# Altium PCB sugar65V2_ARGB_QMK(1).PcbDoc (part 1 of 8)
Units mm, origin at the board's own origin, x right, y up, seen from the top; angles counter-clockwise.
Board outline 416.94 x 174.37 mm, 2 copper layers (Top Layer, Bottom Layer); 304 components, 242 nets, 11102 pads, 1014 vias.
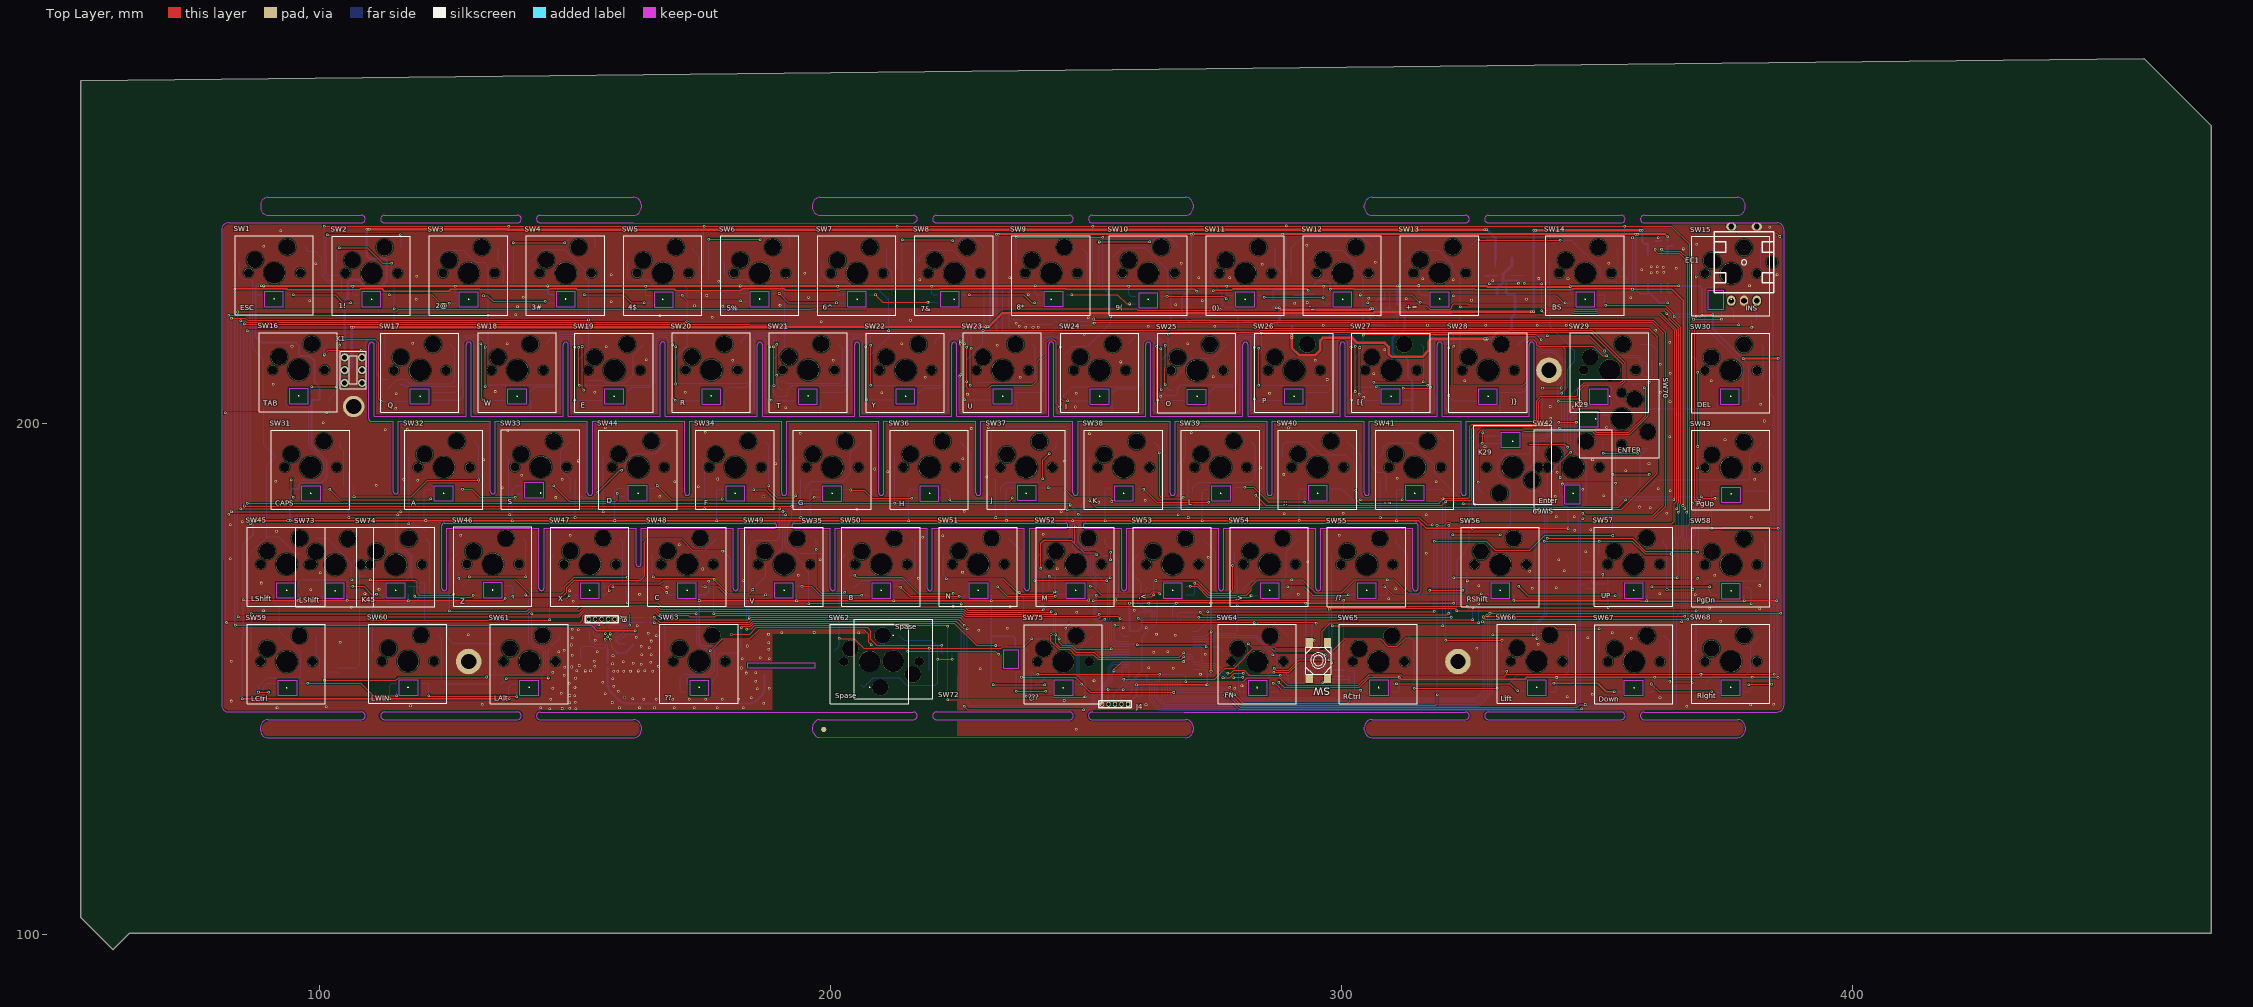
[diagram p0: Top Layer view]
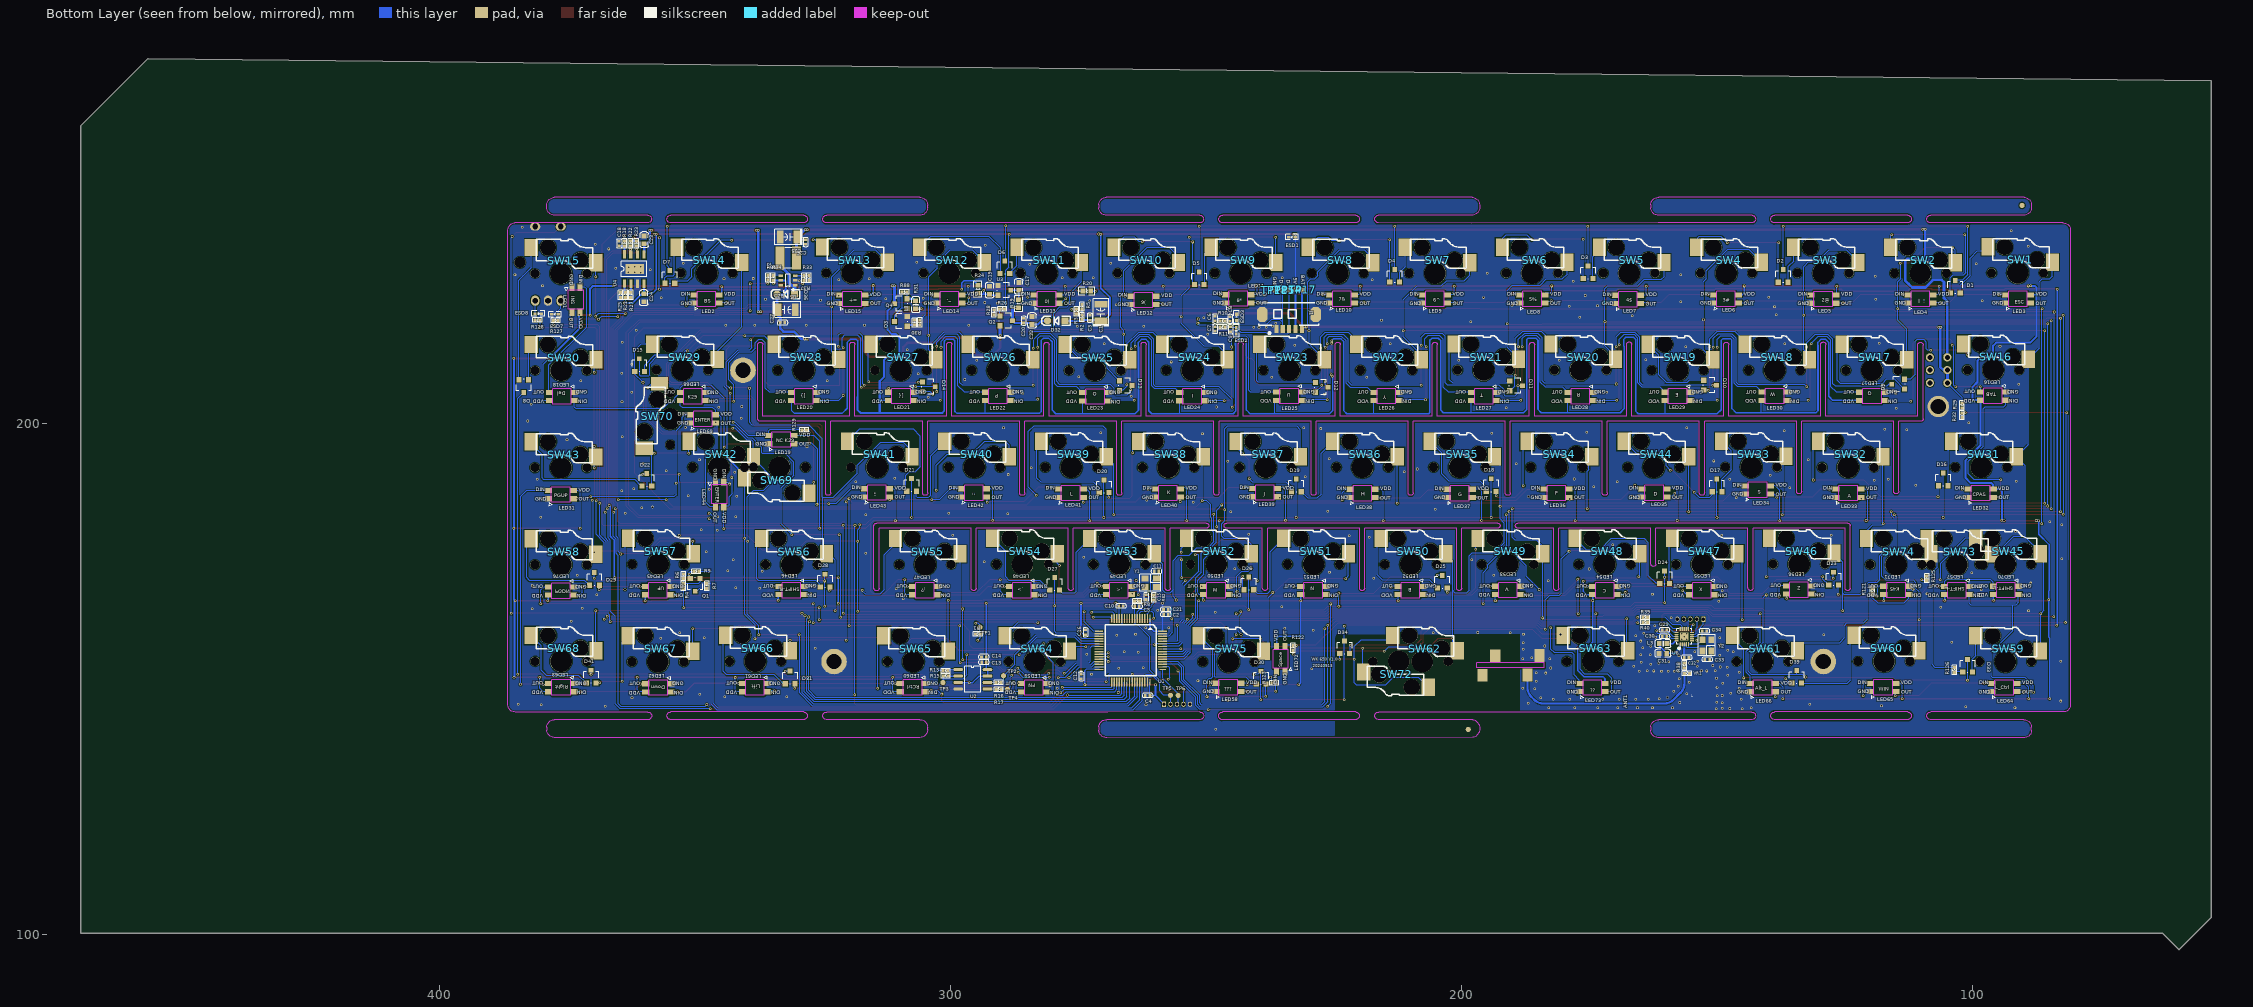
[diagram p1: Bottom Layer view, seen from below]
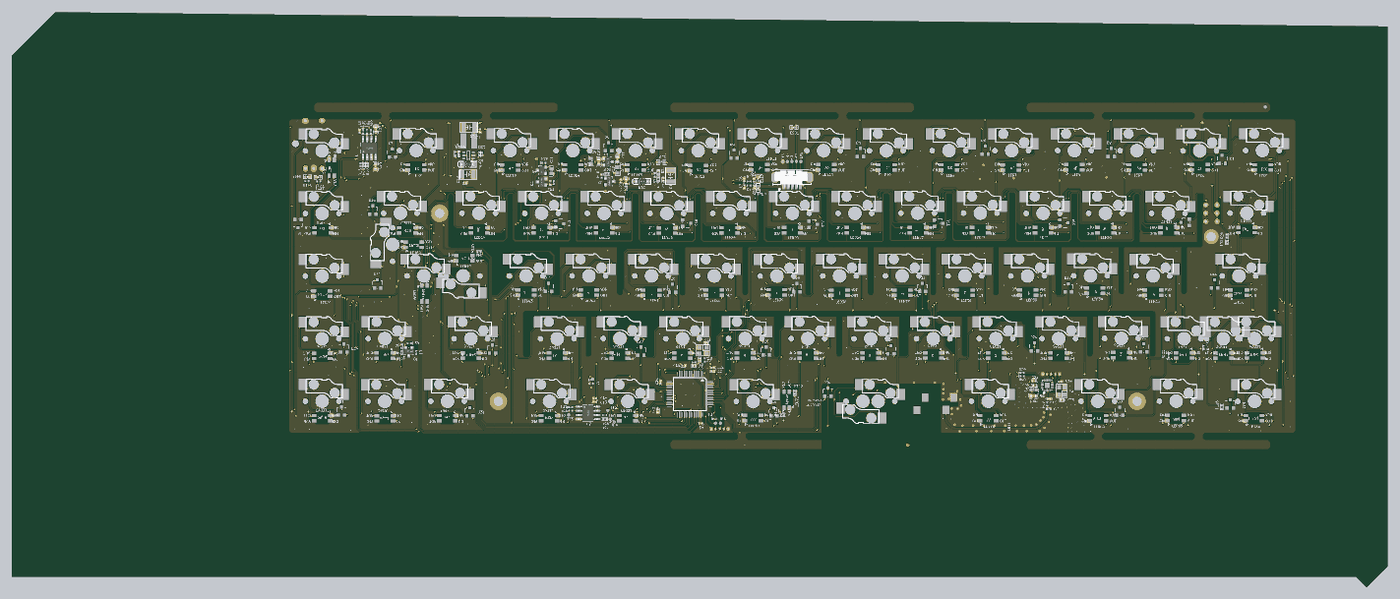
[diagram p9: 3D render of the assembled board from below, using the file's embedded part models]

## Layer stack, top to bottom
Top Layer: signal copper 0.0356
Dielectric: dielectric 0.32, FR-4, Dk 4.8
Bottom Layer: signal copper 0.0356

## Board outline
53.34,267.081 53.34,103.378 59.69,97.028 62.865,100.203 470.281,100.203 470.281,258.191 457.073,271.399

## Design rules (kind name [scope] priority, off if disabled: settings)
Clearance Clearance_3 [InNet('NetANT1_1')] p1: gap=0.18
Clearance Clearance_2 [InNet('RF')] p2: gap=0.18
Clearance Clearance_1 [OnLayer('Keep-Out Layer')] p3: gap=0.3
Clearance [All] p4: gap=0.2
HoleToHoleClearance [All] p1: gap=0.2 allowstackedmicrovias=TRUE
MinimumSolderMaskSliver [All] p1: minsoldermaskwidth=0.2
PolygonConnect [All] p1: connectstyle=Direct reliefconductorwidth=0.254 reliefentries=4 polygonreliefangle="90 Angle"
RoutingVias [All] p1: holewidth=0.3 width=0.5 viastyle="Through Hole" minholewidth=0.2 minwidth=0.5 maxholewidth=0.711 maxwidth=1.27
SilkToSilkClearance [All] p1: silktosilkclearance=0.1
SilkscreenOverComponentPads [All] p1: minsilkscreentomaskgap=0.1
SolderMaskExpansion [All] p1: expansion=0.102
Width [All] p1: maxlimit=0.6 minlimit=0.2 preferedwidth=0.3
24 further rules are at their usual default settings.

## Classes and differential pairs
component class 07_TYPE_C_B: C35 C36 J6 R41 R42 R43 USB1
component class 06_RF_MODULE: ANT1 C17 C18 C19 C20 C22 C23 C24 C25 C26 C27 C28 C29 C30 C31 C32 C33 C34 D32 D36 J9 K1 L1 L2 L3 Q2 Q3 Q4 R18 R19 R20 R21 R22 R23 R24 R25 R26 R27 R28 R29 R30 R31 R32 R33 R34 R35 R37 R38 R39 R40 R88 U3 U4 U5 U6 VR1 Y2
component class 05_LED: LED1 LED2 LED3 LED4 LED5 LED6 LED7 LED8 LED9 LED10 LED11 LED12 LED13 LED14 LED15 LED16 LED17 LED18 LED19 LED20 LED21 LED22 LED23 LED24 LED25 LED26 LED27 LED28 LED29 LED30 LED31 LED32 LED33 LED34 LED35 LED36 LED37 LED38 LED39 LED40 LED41 LED42 LED43 LED44 LED45 LED46 LED47 LED48 LED49 LED50 LED51 LED52 LED53 LED54 LED55 LED56 LED57 LED58 LED59 LED60 LED61 LED62 LED63 LED64 LED65 LED66 LED68 LED69 LED70 LED71 LED72 LED73 LED76 R121 R122 R123 R129
component class 04_KEY: "1.254 5P" D1 D2 D3 D4 D5 D6 D7 D8 D9 D10 D11 D12 D13 D14 D15 D16 D17 D18 D19 D20 D21 D22 D23 D24 D25 D26 D27 D28 D29 D30 D31 D33 D34 D39 D41 EC1 ESD7 ESD8 R125 R126 R127 R128 SW1 SW2 SW3 SW4 SW5 SW6 SW7 SW8 SW9 SW10 SW11 SW12 SW13 SW14 SW15 SW16 SW17 SW18 SW19 SW20 SW21 SW22 SW23 SW24 SW25 SW26 SW27 SW28 SW29 SW30 SW31 SW32 SW33 SW34 SW35 SW36 SW37 SW38 SW39 SW40 SW41 SW42 SW43 SW44 SW45 SW46 SW47 SW48 SW49 SW50 SW51 SW52 SW53 SW54 SW55 SW56 SW57 SW58 SW59 SW60 SW61 SW62 SW63 SW64 SW65 SW66 SW67 SW68 SW69 SW70 SW72 SW73 SW74 SW75
component class 02_MCU: 5V C1 C2 C3 C4 C5 C6 C7 C8 C9 C10 C11 C12 C13 C14 C15 C16 C21 ESD1 ESD2 ESD3 J1 J4 Q1 R1 R2 R3 R4 R5 R6 R7 R8 R9 R10 R11 R13 R15 R16 R17 R82 SW TP1 TP2 TP3 TP4 TP5 TP6 TP12 TP14 TP15 TP17 TP18 U1 U2 Y1

## Components (designator, comment, footprint, x,y, rotation, side; value= is the part's Value field where it differs from the comment)
5V "TEST1.0" TEST1.0 232.38,226.03 r180 bottom locked
ANT1 "ANT_PIFA_2G4" ANT_PIFA_2G4_1MM 155.54,151.23 r0 bottom locked
C1 "10uF" "C_1206 +" 270.65,221.71 r90 bottom locked
C2 "0.1uF" 0402-C 257.93,162.62 r180 bottom locked
C3 "0.1uF" 0402-C 272.81,220.68 r90 bottom locked
C4 "0.1uF" 0402-C 261.48,146.75 r0 bottom locked
C5 "0.1uF" 0402-C 263.54,164.23 r180 bottom locked
C6 "20pF" 0402-C 248.29,220.52 r90 bottom locked
C7 "20pF" 0402-C 248.31,218.5 r270 bottom locked
C8 "100pF" 0402-C 245.35,220.46 r90 bottom locked
C9 "100pF" 0402-C 245.29,218.43 r270 bottom locked
C10 "0.1uF" 0402-C 266.69,164.26 r180 bottom locked
C11 "20pF" 0402-C 259.77,171.08 r180 bottom
C12 "0.1uF" 0402-C 274.49,150.51 r270 bottom locked
C13 "0.1uF" 0402-C 293.54,153.28 r0 bottom locked
C14 "10uF" 0402-C 293.55,154.34 r0 bottom locked
C15 "20pF" 0402-C 261.81,166 r90 bottom
C16 "0.1uF" 0402-C 273.67,159.15 r90 bottom locked
C17 "10uF" 0603C 286.64,226.74 r270 bottom locked
C18 "0.1uF" 0402-C 364.89,235.21 r90 bottom locked
C19 "4.7uF" 0603C 292.35,225.99 r270 bottom locked
C20 "0.1uF" 0402-C 285.75,220.11 r90 bottom locked
C21 "2.2uF" 0402-C 257.94,163.6 r180 bottom locked
C22 "10uF" 0603C 284.05,220.06 r270 bottom locked
C23 "10uF" 0603C 359.93,235.85 r270 bottom locked
C24 "10uF" 0603C 360.14,224.67 r90 bottom locked
C25 "10uF" "C_1206 +" 331.76,236.47 r0 bottom locked
C26 "0.1uF" 0402-C 328.41,235.49 r270 bottom locked
C27 "0.1uF" 0402-C 332.91,219.72 r0 bottom locked
C28 "22uF" "C_1206 +" 332.08,222.25 r180 bottom locked
C29 "2.2uF" 0402-C 160.38,159.58 r0 bottom locked
C30 "2.2uF" 0402-C 160.34,158.3 r180 bottom locked
C31 "10uF" 0603C 160.76,154.97 r0 bottom locked
C32 "NC" 0402-C 156.01,154.18 r180 bottom
C33 "10pF" 0402-C 151.99,153.8 r180 bottom locked
C34 "10pF" 0402-C 152.53,159.42 r0 bottom locked
D1 "BAW56" SOT-23 103.46,226.77 r180 bottom locked
D2 "BAW56" SOT-23 137.13,228.88 r180 bottom locked
D3 "BAW56" SOT-23 175.31,229.59 r180 bottom locked
D4 "BAW56" SOT-23 213.15,228.89 r180 bottom locked
D5 "BAW56" SOT-23 251.39,228.4 r180 bottom locked
D6 "BAW56" SOT-23 289.43,230.57 r180 bottom locked
D7 "BAW56" SOT-23 354.98,228.68 r180 bottom locked
D8 "BAW56" SOT-23 383.57,207.31 r0 bottom locked
D9 "BAW56" SOT-23 114.66,207.69 r90 bottom locked
D10 "BAW56" SOT-23 151.43,207.49 r270 bottom locked
D11 "BAW56" SOT-23 189.41,207.37 r270 bottom
D12 "BAW56" SOT-23 227.42,207.07 r270 bottom locked
D13 "BAW56" SOT-23 265.77,207.42 r270 bottom locked
D14 "BAW56" SOT-23 304.28,207.19 r270 bottom locked
D15 "BAW56" SOT-23 360.91,211.43 r180 bottom locked
D16 "BAW56" SOT-23 105.81,189.04 r180 bottom locked
D17 "BAW56" SOT-23 150.08,187.87 r180 bottom locked
D18 "BAW56" SOT-23 194.27,187.94 r180 bottom locked
D19 "BAW56" SOT-23 232.39,187.88 r180 bottom locked
D20 "BAW56" SOT-23 270.02,187.71 r180 bottom locked
D21 "BAW56" SOT-23 307.67,187.98 r180 bottom locked
D22 "BAW56" SOT-23 359.46,188.99 r180 bottom locked
D23 "BAW56" SOT-23 127.28,169.64 r180 bottom locked
D24 "BAW56" SOT-23 160.34,169.92 r180 bottom locked
D25 "BAW56" SOT-23 203.82,169.05 r180 bottom locked
D26 "BAW56" SOT-23 241.67,168.69 r180 bottom locked
D27 "BAW56" SOT-23 279.68,168.64 r180 bottom locked
D28 "BAW56" SOT-23 324.61,169.26 r180 bottom locked
D29 "BAW56" SOT-23 369.72,169.58 r180 bottom locked
D30 "BAW56" SOT-23 239.3,150.28 r180 bottom locked
D31 "BAW56" SOT-23 331.46,150.3 r180 bottom locked
D32 "1N5819" D_SOD123 279.57,220.16 r180 bottom locked
D33 "BAW56" SOT-23 101.05,152.61 r180 bottom locked
D34 "BAW56" SOT-23 222.96,156.2 r180 bottom
D36 "1N5819" D_SOD123 332.52,225.37 r180 bottom locked
D39 "BAW56" SOT-23 134.5,150.43 r180 bottom locked
D41 "BAW56" SOT-23 370.39,150.48 r180 bottom locked
EC1 "ENC-KEYAA" ENC-KEYAA 378.79,231.5 r0 top locked (schematic designator "1.254 5P")
ESD1 "IRISO:6802-01Y902" SOD523 233.23,236.45 r180 bottom locked
ESD2 "IRISO:6802-01Y902" SOD523 244.15,218.12 r90 bottom locked
ESD3 "IRISO:6802-01Y902" SOD523 244.11,220.75 r270 bottom locked
ESD7 "IRISO:6802-01Y902" SOD523 377.43,221.34 r180 bottom locked
ESD8 "IRISO:6802-01Y902" SOD523 380.74,221.5 r0 bottom locked
J1 "1.25 5P" 1.25mm_5P 236.3,218.51 r180 bottom locked
J4 "1.27 5P" "1.27 5P" 257.01,145.06 r90 top locked
J9 "1.27 5P" "1.27 5P" 154.03,161.69 r270 top locked
K1 "SW 3*6P" SW-6P-3-3 106.75,210.35 r90 top locked
L1 "0R" L_0603 306.85,223.28 r90 bottom locked
L2 "3.3uH" L_CD43 330.31,232.47 r90 bottom locked
L3 "10uH" L_0603 160.57,156.9 r180 bottom locked
LED1 "INS" "LED 3528 ARGB" 374.15,221.76 r90 top locked
LED2 "BS" "LED 3528 ARGB" 345.34,223.54 r0 top locked
LED3 "ESC" "LED 3528 ARGB" 88.73,223.56 r0 top locked
LED4 "1！" "LED 3528 ARGB" 107.8,223.57 r0 top locked
LED5 "2@" "LED 3528 ARGB" 126.84,223.52 r0 top locked
LED6 "3#" "LED 3528 ARGB" 145.88,223.57 r0 top locked
LED7 "4$" "LED 3528 ARGB" 165.03,223.48 r0 top locked
LED8 "5%" "LED 3528 ARGB" 183.79,223.55 r0 top locked
LED9 "6^" "LED 3528 ARGB" 202.79,223.55 r0 top locked
LED10 "7&" "LED 3528 ARGB" 221.01,223.57 r0 top locked
LED11 "8*" "LED 3528 ARGB" 241.32,223.59 r0 top locked
LED12 "9(" "LED 3528 ARGB" 259.85,223.3 r0 top locked
LED13 "0)" "LED 3528 ARGB" 278.8,223.53 r0 top locked
LED14 "-_" "LED 3528 ARGB" 297.82,223.54 r0 top locked
LED15 "+=" "LED 3528 ARGB" 316.85,223.51 r0 top locked
LED16 "TAB" "LED 3528 ARGB" 98.52,206.15 r180 top locked
LED17 "Q" "LED 3528 ARGB" 122.18,206.1 r180 top locked
LED18 "Del" "LED 3528 ARGB" 378.55,206.07 r180 top locked
LED19 "NC K29" "LED 3528 ARGB" 330.73,196.02 r0 top locked
LED20 "]}" "LED 3528 ARGB" 331.16,206.07 r180 top locked
LED21 "[{" "LED 3528 ARGB" 312.17,206.1 r180 top locked
LED22 "P" "LED 3528 ARGB" 293.23,206.1 r180 top locked
LED23 "O" "LED 3528 ARGB" 274.2,206.03 r180 top locked
LED24 "I" "LED 3528 ARGB" 255.21,206.05 r180 top locked
LED25 "U" "LED 3528 ARGB" 236.22,206.12 r180 top locked
LED26 "Y" "LED 3528 ARGB" 217.22,206.09 r180 top locked
LED27 "T" "LED 3528 ARGB" 198.15,206.08 r180 top locked
LED28 "R" "LED 3528 ARGB" 179.27,206.08 r180 top locked
LED29 "E" "LED 3528 ARGB" 160.23,206.1 r180 top locked
LED30 "W" "LED 3528 ARGB" 141.25,206.13 r180 top locked
LED31 "PGUP" "LED 3528 ARGB" 373.85,185.26 r0 top locked
LED32 "CPAS" "LED 3528 ARGB" 96.04,185.55 r0 top locked
LED33 "A" "LED 3528 ARGB" 121.96,185.55 r0 top locked
LED34 "S" "LED 3528 ARGB" 139.65,186.2 r0 top locked
LED35 "D" "LED 3528 ARGB" 159.9,185.59 r0 top
LED36 "F" "LED 3528 ARGB" 179.05,185.54 r0 top
LED37 "G" "LED 3528 ARGB" 197.96,185.52 r0 top locked
LED38 "H" "LED 3528 ARGB" 217,185.52 r0 top locked
LED39 "J" "LED 3528 ARGB" 236.07,185.65 r0 top locked
LED40 "K" "LED 3528 ARGB" 255.06,185.58 r0 top locked
LED41 "L" "LED 3528 ARGB" 274.06,185.54 r0 top locked
LED42 ";:" "LED 3528 ARGB" 293.02,185.62 r0 top locked
LED43 "'\"" "LED 3528 ARGB" 312.01,185.63 r0 top
LED44 "ENTER" "LED 3528 ARGB" 346.04,183.67 r90 top locked
LED45 "UP" "LED 3528 ARGB" 359.75,168.09 r180 top locked
LED46 "SHIFT-R" "LED 3528 ARGB" 333.65,168.12 r180 top locked
LED47 "/?" "LED 3528 ARGB" 307.53,168.09 r180 top locked
LED48 ".>" "LED 3528 ARGB" 288.54,168.09 r180 top locked
LED49 ",<" "LED 3528 ARGB" 269.55,168.12 r180 top locked
LED50 "M" "LED 3528 ARGB" 250.53,168.12 r180 top locked
LED51 "N" "LED 3528 ARGB" 231.54,168.12 r180 top locked
LED52 "B" "LED 3528 ARGB" 212.49,168.12 r180 top locked
LED53 "V" "LED 3528 ARGB" 193.44,168.15 r180 top locked
LED54 "C" "LED 3528 ARGB" 174.45,168.12 r180 top locked
LED55 "X" "LED 3528 ARGB" 155.47,168.09 r180 top locked
LED56 "Z" "LED 3528 ARGB" 136.48,168.21 r180 top locked
LED57 "SHIFT-L" "LED 3528 ARGB" 105.56,168.11 r180 top locked
LED58 "???" "LED 3528 ARGB" 243.27,147.56 r0 top locked
LED59 "FN" "LED 3528 ARGB" 286.19,149.09 r180 top locked
LED60 "RCtrl" "LED 3528 ARGB" 309.91,149.11 r180 top locked
LED61 "Lift" "LED 3528 ARGB" 340.77,149.11 r180 top locked
LED62 "Down" "LED 3528 ARGB" 359.7,149.07 r180 top locked
LED63 "Right" "LED 3528 ARGB" 378.69,149.11 r180 top locked
LED64 "L_Ctrl" "LED 3528 ARGB" 91.42,147.52 r0 top locked
LED65 "WIN" "LED 3528 ARGB" 115.12,147.55 r0 top locked
LED66 "Alt_L" "LED 3528 ARGB" 138.69,147.5 r0 top locked
LED68 "K29" "LED 3528 ARGB" 352.9,206.06 r180 top locked
LED69 "ENTER" "LED 3528 ARGB" 346.04,200.1 r0 top locked
LED70 "SHIFT-L" "LED 3528 ARGB" 96,168.15 r180 top locked
LED71 "K45" "LED 3528 ARGB" 117.46,168.14 r180 top locked
LED72 "Space" "LED 3528 ARGB" 234.64,156.37 r270 top locked
LED73 "??" "LED 3528 ARGB" 172,147.52 r0 top locked
LED76 "PGDN" "LED 3528 ARGB" 378.74,168 r180 top locked
Q1 "2301-P" SOT23 350.03,168.63 r0 bottom locked
Q2 "G2301-P" SOT23 289.35,220.06 r270 bottom locked
Q3 "8050" SOT23 309.56,219.96 r90 bottom locked
Q4 "G2301-P" SOT23 309.58,223.45 r90 bottom locked
R1 "100K" 0402-R 295.18,158.81 r180 bottom
R2 "100K" 0402-R 274.35,220.29 r90 bottom locked
R3 "1K" 0402-R 275.43,221.42 r90 bottom locked
R4 "1K" 0402-R 352.28,167.69 r90 bottom locked
R5 "100K" 0402-R 274.34,222.35 r90 bottom locked
R6 "100K" 0402-R 352.28,169.62 r90 bottom locked
R7 "1.5K" 0402-R 347.74,167.72 r90 bottom locked
R8 "100K/NC" 0402-R 264.02,165.24 r180 bottom locked
R9 "NC/1.5K" 0402-R 350.28,171.02 r180 bottom locked
R10 "10R" 0402-R 246.33,220.03 r0 bottom locked
R11 "10R" 0402-R 246.35,218.85 r0 bottom locked
R13 "22R" 0402-R 300.52,151.6 r0 bottom locked
R15 "22R" 0402-R 300.5,150.58 r0 bottom locked
R16 "22R" 0402-R 291.12,149.28 r180 bottom locked
R17 "22R" 0402-R 291.09,147.99 r180 bottom locked
R18 "1M" 0402-R 363.86,234.73 r90 bottom locked
R19 "2R" 0603R 286.67,223.51 r180 bottom locked
R20 "0R" 0603R 273.31,225.86 r270 bottom locked
R21 "NC" 0402-R 363.63,225.64 r270 bottom locked
R22 "1M" 0402-R 362.68,234.75 r90 bottom locked
R23 "1M" 0402-R 361.46,234.74 r90 bottom locked
R24 "0R" 0603R 294.68,226.35 r180 bottom locked
R25 "0R" 0402-R 364.62,225.64 r270 bottom locked
R26 "1K" 0402-R 289.47,222.38 r0 bottom locked
R27 "2.4K 1%" 0402-R 362.61,225.64 r270 bottom locked
R28 "100K" 0402-R 291.57,221.21 r90 bottom locked
R29 "300K 1%" 0402-R 102.11,204.02 r270 bottom
R30 "1K" 0402-R 306.03,220.22 r270 bottom locked
R31 "NC" 0402-R 307.09,219.24 r90 bottom locked
R32 "100K 1%" 0402-R 102.12,202.09 r270 bottom
R33 "100K 1%" 0402-R 328.73,227.97 r90 bottom
R34 "NC" 0402-R 334.75,228.01 r90 bottom locked
R35 "1K" 0402-R 335.79,228.03 r90 bottom locked
R37 "13.7K 1%" 0402-R 327.74,228.92 r270 bottom
R38 "0R" 0402-R 156.46,153.14 r270 bottom
R39 "0R" 0402-R 164.6,162.06 r180 bottom locked
R40 "0R" 0402-R 164.6,161.07 r180 bottom locked
R82 "100R" 0402-R 260.27,165.49 r90 bottom
R88 "100K" 0402-R 309.53,225.71 r180 bottom locked
R121 "0R" 0402-R 119.66,167.68 r270 bottom locked
R122 "0R" 0402-R 233.03,155.59 r90 bottom locked
R123 "0R" 0402-R 236.23,149.18 r0 bottom locked
R125 "0R" 0402-R 109.02,169.23 r90 bottom locked
R126 "NC" 0402-R 103.63,151.26 r90 bottom locked
R127 "1K" 0402-R 377.79,220.1 r180 bottom locked
R128 "1K" 0402-R 380.38,220.2 r0 bottom locked
R129 "0R" 0402-R 328.2,198.7 r0 bottom
SW "SW 4P" SW5*5 297.34,150.07 r180 top
SW1 "ESC" CHABAZHOU1 91.27,229.46 r0 top locked
SW2 "1!" CHABAZHOU1 110.28,229.38 r0 top locked
SW3 "2@" CHABAZHOU1 129.31,229.42 r0 top locked
SW4 "3#" CHABAZHOU1 148.26,229.43 r0 top locked
SW5 "4$" CHABAZHOU1 167.28,229.42 r0 top locked
SW6 "5%" CHABAZHOU1 186.26,229.43 r0 top locked
SW7 "6^" CHABAZHOU1 205.27,229.4 r0 top locked
SW8 "7&" CHABAZHOU1 224.29,229.4 r0 top locked
SW9 "8*" CHABAZHOU1 243.27,229.42 r0 top locked
SW10 "9(" CHABAZHOU1 262.28,229.42 r0 top locked
SW11 "0)" CHABAZHOU1 281.27,229.41 r0 top locked
SW12 "-_" CHABAZHOU1 300.28,229.42 r0 top locked
SW13 "+=" CHABAZHOU1 319.29,229.44 r0 top locked
SW14 "BS" CHABAZHOU1 347.76,229.42 r0 top locked
SW15 "INS" CHABAZHOU1 376.28,229.34 r0 top locked
SW16 "TAB" CHABAZHOU1 96.01,210.48 r0 top locked
SW17 "Q" CHABAZHOU1 119.77,210.39 r0 top locked
SW18 "W" CHABAZHOU1 138.82,210.42 r0 top locked
SW19 "E" CHABAZHOU1 157.76,210.41 r0 top locked
SW20 "R" CHABAZHOU1 176.78,210.46 r0 top locked
SW21 "T" CHABAZHOU1 195.76,210.46 r0 top locked
SW22 "Y" CHABAZHOU1 214.77,210.41 r0 top locked
SW23 "U" CHABAZHOU1 233.74,210.42 r0 top locked
SW24 "I" CHABAZHOU1 252.78,210.4 r0 top locked
SW25 "O" CHABAZHOU1 271.8,210.36 r0 top locked
SW26 "P" CHABAZHOU1 290.81,210.4 r0 top locked
SW27 "[{" CHABAZHOU1 309.78,210.4 r0 top locked
SW28 "]}" CHABAZHOU1 328.77,210.43 r0 top locked
SW29 "K29" CHABAZHOU1 352.54,210.44 r0 top locked
SW30 "DEL" CHABAZHOU1 376.27,210.36 r0 top locked
SW31 "CAPS" CHABAZHOU1 98.39,191.42 r0 top locked
SW32 "A" CHABAZHOU1 124.44,191.41 r0 top locked
SW33 "S" CHABAZHOU1 143.4,191.47 r0 top locked
SW34 "F" CHABAZHOU1 181.44,191.42 r0 top locked
SW35 "G" CHABAZHOU1 200.46,191.43 r0 top locked
SW36 "H" CHABAZHOU1 219.46,191.43 r0 top locked
SW37 "J" CHABAZHOU1 238.42,191.39 r0 top locked
SW38 "K" CHABAZHOU1 257.44,191.39 r0 top locked
SW39 "L" CHABAZHOU1 276.44,191.42 r0 top locked
SW40 ";:" CHABAZHOU1 295.4,191.43 r0 top locked
SW41 "' \"" CHABAZHOU1 314.43,191.43 r0 top locked
SW42 "Enter" CHABAZHOU1 345.44,191.44 r0 top locked
SW43 "PgUp" CHABAZHOU1 376.29,191.36 r0 top locked
SW44 "D" CHABAZHOU1 162.46,191.42 r0 top locked
SW45 "LShift" CHABAZHOU1 93.66,172.45 r0 top locked
SW46 "Z" CHABAZHOU1 134.03,172.49 r0 top locked
SW47 "X" CHABAZHOU1 153.01,172.43 r0 top locked
SW48 "C" CHABAZHOU1 172.05,172.43 r0 top locked
SW49 "V" CHABAZHOU1 191.03,172.41 r0 top locked
SW50 "B" CHABAZHOU1 210,172.41 r0 top locked
SW51 "N" CHABAZHOU1 229.03,172.44 r0 top locked
SW52 "M" CHABAZHOU1 248.02,172.44 r0 top locked
SW53 ",<" CHABAZHOU1 267.01,172.41 r0 top locked
SW54 ".>" CHABAZHOU1 285.99,172.45 r0 top locked
SW55 "/?" CHABAZHOU1 305.02,172.4 r0 top locked
SW56 "RShift" CHABAZHOU1 331.17,172.4 r0 top locked
SW57 "UP" CHABAZHOU1 357.25,172.44 r0 top locked
SW58 "PgDn" CHABAZHOU1 376.29,172.36 r0 top locked
SW59 "LCtrl" CHABAZHOU1 93.65,153.4 r0 top locked
SW60 "LWIN" CHABAZHOU1 117.41,153.46 r0 top locked
SW61 "LAlt" CHABAZHOU1 141.18,153.42 r0 top locked
SW62 "Spase" CHABAZHOU1 207.74,153.42 r0 top locked
SW63 "??" CHABAZHOU1 174.39,153.44 r0 top locked
SW64 "FN" CHABAZHOU1 283.61,153.41 r0 top locked
SW65 "RCtrl" CHABAZHOU1 307.33,153.41 r0 top locked
SW66 "Lift" CHABAZHOU1 338.25,153.45 r0 top locked
SW67 "Down" CHABAZHOU1 357.31,153.38 r0 top locked
SW68 "Right" CHABAZHOU1 376.27,153.44 r0 top locked
SW69 "K29" CHABAZHOU1 333.53,191.43 r180 top locked
SW70 "ENTER" CHABAZHOU1 354.91,200.93 r270 top locked
SW72 "Spase" CHABAZHOU1 212.36,153.45 r180 top locked
SW73 "LShift" CHABAZHOU1 103.14,172.37 r0 top locked
SW74 "K45" CHABAZHOU1 115.04,172.4 r0 top locked
SW75 "???" CHABAZHOU1 245.64,153.38 r0 top locked
TP1 "TEST1.0" TEST1.0 294.17,160.25 r90 bottom
TP2 "TEST1.0" TEST1.0 289.55,150.76 r90 bottom locked
TP3 "TEST1.0" TEST1.0 301.42,149.44 r90 bottom locked
TP4 "TEST1.0" TEST1.0 288.79,148.11 r90 bottom locked
TP5 "TEST1.0" TEST1.0 256.91,146.93 r90 bottom locked
TP6 "TEST1.0" TEST1.0 255.39,146.92 r90 bottom locked
TP14 "D-" TEST1.0 233.75,226.26 r90 bottom
TP15 "D+" TEST1.0 235.15,226.24 r90 bottom
TP17 "BAT" TEST1.0 231.04,226.26 r90 bottom
TP18 "GND" TEST1.0 236.51,226.2 r90 bottom
U1 "WB32FQ95RCT6" LQFP64-10X10 264.78,155.61 r0 bottom locked
U2 "Flash 4M WB25HQ40IT" SOP-8 298.57,151.85 r270 bottom locked
U3 "ME6203_3.3V" SOT23 289.73,226.04 r270 bottom locked
U4 "TP4056" SOP-8A 361.94,230.22 r90 bottom locked
U5 "LN2220" SOT23-6 331.85,227.98 r0 bottom locked
U6 "FR8003A_QFN20" QFN20_3X3 156.48,158.3 r90 bottom locked
VR1 "VTSB30A3" 0402-R 155.46,151.06 r0 bottom
Y1 "12MHZ/20pF" "crystal 3225 SMD" 260.9,168.83 r180 bottom
Y2 "24MHZ/12pF" "crystal 3225 SMD" 152.08,156.58 r270 bottom locked

## Footprints (in the part's own frame and the unit in brackets; to place one, negate y for a bottom-side part, rotate by r counter-clockwise, add the part's x,y. Pads: shape width x height; smd on the part's side, far side on the other; paste and mask are expansions set on the pad)
1.25mm_5P [mm]
  rect 0.8x1.6 smd: 1(0,0) 2(1.25,0) 3(2.5,0) 4(3.75,0) 5(5,0)
  oct 2x3 smd: 6(7.7,2.811) 7(-2.771,2.811)
  silkscreen extent -3.43,-1.04 8.3,5.07, body extent -2.9,-0.28 7.25,4.91, height 3.4
"1.27 5P" [mm] "J?"
  rect 1x0.8 hole 0.65: 1(-0.01,-1.27)
  oval 1x0.8 hole 0.65: 2(-0.01,0) 3(-0.01,1.27) 4(-0.01,2.54) 5(-0.01,3.81)
  silkscreen extent -0.71,-1.93 0.69,4.47
0402-C [mm] "C?"
  rect 0.5x0.6 smd: 1(-0.45,0) 2(0.45,0)
  silkscreen extent -0.98,-0.46 0.97,0.46, body extent -0.4,-0.24 0.6,0.28, height 0.53
0402-R [mil] "R?"
  rect 23.37x25.37 smd mask+1.57: 1(0,0) 2(38,0)
  silkscreen extent -17,-17 55,17, body extent 0,-11 39,9, height 12
0603C [mm]
  rect 0.93x0.98 smd: 1(0.69,-0.06) 2(-0.85,-0.06)
  silkscreen extent -1.62,-0.85 1.46,0.73, body extent -0.82,-0.5 0.78,0.32, height 0.81
0603R [mm]
  rect 0.98x0.93 smd: 1(-0.04,0.69) 2(-0.04,-0.85)
  silkscreen extent -0.83,-1.61 0.75,1.46
ANT_PIFA_2G4_1MM [mm]
  silkscreen extent -0.49,4.18 -0.49,4.68
"C_1206 +" [mil] "C?"
  rect 50x100 smd: 1(-65,0) 2(65,0)
  silkscreen extent -105,-60 105,60
CHABAZHOU1 [mm] "K?"
  rect 2.6x3.4 smd far side: 1(-6.83,2.08) 2(5.8,5.08)
  round 4.2 hole 4.2: 5(0,0)
  round 3.2 hole 3.2: 7(2.54,5.08) 8(-3.81,2.54)
  round 1.8 hole 1.8: 9(-5.08,0) 10(5.08,0)
  silkscreen extent -7.7,-8.22 7.6,7.28
"crystal 3225 SMD" [mm] "X?"
  rect 1.35x1.1 smd: 1(1.109,0.839) 2(-1.109,0.839) 3(-1.109,-0.839) 4(1.109,-0.839)
  silkscreen extent -2.12,-1.66 2.01,1.67
D_SOD123 [mil] "D?"
  oct 55x50 smd: 1(-58.6,-3.82)
  rect 55x50 smd: 2(76.4,-3.82)
  silkscreen extent -103,-39 116,31, body extent -64,-35 82,28, height 48
ENC-KEYAA [mm]
  oval 1.6x2 hole 1.1: 1(-2.468,-7.473) 2(0.032,-7.473) 3(2.532,-7.473)
  oval 2x1.6 hole 1.1: 4(-2.468,7.027) 5(2.532,7.027)
  rrect100% 2.2x2.2 hole 2.2: 5/2(-5.468,0.027) 5/3(5.532,0.027)
  silkscreen extent -5.82,-5.97 5.88,6.03
L_0603 [mm]
  rect 0.93x0.98 smd: 1(-0.83,0.02) 2(0.71,0.02)
  silkscreen extent -1.6,-0.77 1.47,0.81
L_CD43 [mm]
  rect 4.5x1.75 smd: 1(-0.1,-0.1) 2(-0.1,3.15)
  silkscreen extent -2.09,0.84 1.91,2.2
"LED 3528 ARGB" [mm]
  rect 1.4x1 smd far side paste+0 mask+0.102: 1(0,0) 2(4.9,0) 3(4.9,1.6) 4(0,1.6)
  Keep-Out Layer lines w0.1: 0.62,2.28 4.29,2.28 4.29,-0.7 0.62,-0.7 0.62,2.28
LQFP64-10X10 [mm] "U?"
  rect 0.254x1.524 smd: 1(-3.75,-6.2) 16(3.75,-6.2)
  rect 0.254x1.778 smd: 2(-3.25,-6.2) 3(-2.75,-6.2) 4(-2.25,-6.2) 5(-1.75,-6.2) 6(-1.25,-6.2) 7(-0.75,-6.2) 8(-0.25,-6.2) 9(0.25,-6.2) 10(0.75,-6.2) 11(1.25,-6.2) 12(1.75,-6.2) 13(2.25,-6.2) 14(2.75,-6.2) 15(3.25,-6.2) 33(3.75,6.2) 34(3.25,6.2) 35(2.75,6.2) 36(2.25,6.2) 37(1.75,6.2) 38(1.25,6.2) 39(0.75,6.2) 40(0.25,6.2) 41(-0.25,6.2) 42(-0.75,6.2) 43(-1.25,6.2) 44(-1.75,6.2) 45(-2.25,6.2) 46(-2.75,6.2) 47(-3.25,6.2)
  rect 1.524x0.254 smd: 17(6.2,-3.75)
  rect 1.778x0.254 smd: 18(6.2,-3.25) 19(6.2,-2.75) 20(6.2,-2.25) 21(6.2,-1.75) 22(6.2,-1.25) 23(6.2,-0.75) 24(6.2,-0.25) 25(6.2,0.25) 26(6.2,0.75) 27(6.2,1.25) 28(6.2,1.75) 29(6.2,2.25) 30(6.2,2.75) 31(6.2,3.25) 32(6.2,3.75) 50(-6.2,3.25) 51(-6.2,2.75) 52(-6.2,2.25) 53(-6.2,1.75) 54(-6.2,1.25) 55(-6.2,0.75) 56(-6.2,0.25) 57(-6.2,-0.25) 58(-6.2,-0.75) 59(-6.2,-1.25) 60(-6.2,-1.75) 61(-6.2,-2.25) 62(-6.2,-2.75) 63(-6.2,-3.25) 64(-6.2,-3.75)
  rect 0.254x1.27 smd: 48(-3.75,6.2)
  rect 1.27x0.254 smd: 49(-6.2,3.75)
  silkscreen extent -5,-5 5,5
QFN20_3X3 [mm]
  oval 0.8x0.25 smd: 1(-1.5,0.8) 2(-1.5,0.4) 3(-1.5,0) 4(-1.5,-0.4) 5(-1.5,-0.8)
  oval 0.28x0.8 smd: 6(-0.8,-1.5) 7(-0.4,-1.5) 8(0,-1.5) 9(0.4,-1.5) 10(0.8,-1.5) 16(0.8,1.5) 17(0.4,1.5) 18(0,1.5) 19(-0.4,1.5) 20(-0.8,1.5)
  oval 0.8x0.28 smd: 11(1.5,-0.8) 12(1.5,-0.4) 13(1.5,0) 14(1.5,0.4) 15(1.5,0.8)
  rect 1.6x1.6 smd: 21(0,0)
  silkscreen extent -2.5,-1.5 1.5,1.5
SOD523 [mm] "D?"
  rect 0.653x0.508 smd: 1(-0.625,0) 2(0.625,0)
  silkscreen extent -1.28,-0.55 1.22,0.55
SOP-8 [mil] "U?"
  oval 24x74 smd: 1(0,0) 2(50,0) 3(100,0) 4(150,0) 5(150,226) 6(100,226) 7(50,226) 8(0,226)
  silkscreen extent -25,50 175,176, body extent -22,-4 175,232, height 75
SOP-8A [mil] "U?"
  rect 63.37x25.37 smd mask+1.57: 1(-112,75.5) 2(-113,25.5) 3(-113,-24.5) 4(-113,-74.5) 5(111,-75.5) 6(112,-25.5) 7(111,26.5) 8(113,75.5)
  rect 79.37x141.37 smd mask+1.57: 9(-0.19,-2.85)
  silkscreen extent -59,-97 61,100, body extent -121,-97 116,100, height 75
SOT23 [mil] "Q?"
  rect 40x40 smd: 1(-37.5,-40) 2(37.5,-40)
  rect 35.43x37.4 smd: 3(-0.61,57.13)
  silkscreen extent -57,-45 58,45, body extent -57,-52 57,59, height 47
SOT23-6 [mm] "U?"
  rect 0.9x0.5 smd: 1(-1.4,0.95) 2(-1.4,0) 3(-1.4,-0.95) 4(1.4,-0.95) 5(1.4,0) 6(1.4,0.95)
  silkscreen extent -1.12,-1.24 0.44,1.95
SOT-23 [mil] "Q?"
  rect 40x40 smd: 1(-37.5,-48.56) 2(37.5,-48.56)
  rect 35.43x37.4 smd: 3(-0.61,48.56)
  silkscreen extent -57,-54 58,36
SW5*5 [mm] "SW?"
  rect 1.4x1.75 smd: 1(0,0) 2(3.578,0) 3(0,-7.08) 4(3.578,-7.08)
  silkscreen extent -0.7,-6.11 4.28,-0.88
SW-6P-3-3 [mm]
  round 1.6 hole 1: 1(-2.409,-1.672) 2(0.091,-1.672) 3(2.591,-1.672) 4(-2.409,1.728) 5(0.091,1.728) 6(2.591,1.728)
  silkscreen extent -3.52,-2.5 3.75,2.56
TEST1.0 [mm] "TP?"
  round 1 smd: 1(-0.127,0.127)

## Part data
5V TP1 TP2 TP3 TP4 TP5 TP6 TP14 TP15 TP17 TP18: library part T_POINT_R
ANT1: library part ANT1
C1 C25 C28: library part C
C2 C3 C4 C5 C6 C7 C8 C9 C10 C11 C12 C13 C14 C15 C16 C17 C18 C19 C20 C21 C22 C23 C24 C26 C27 C29 C30 C31 C32 C33 C34: library part "CAP NP_0"
D1 D2 D3 D4 D5 D6 D7 D8 D9 D10 D11 D12 D13 D14 D15 D16 D17 D18 D19 D20 D21 D22 D23 D24 D25 D26 D27 D28 D29 D30 D31 D33 D34 D39 D41: library part BAW56T
D32 D36: library part 1N4148_0
ESD1 ESD2 ESD3 ESD7 ESD8: library part "DIODE BI"
L1 L2 L3: library part INDUCTOR1
LED1 LED2 LED3 LED4 LED5 LED6 LED7 LED8 LED9 LED10 LED11 LED12 LED13 LED14 LED15 LED16 LED17 LED18 LED19 LED20 LED21 LED22 LED23 LED24 LED25 LED26 LED27 LED28 LED29 LED30 LED31 LED32 LED33 LED34 LED35 LED36 LED37 LED38 LED39 LED40 LED41 LED42 LED43 LED44 LED45 LED46 LED47 LED48 LED49 LED50 LED51 LED52 LED53 LED54 LED55 LED56 LED57 LED58 LED59 LED60 LED61 LED62 LED63 LED64 LED65 LED66 LED68 LED69 LED70 LED71 LED72 LED73 LED76: library part "3528 ARGB"
Q1 Q2 Q4: library part MOSFET-P
Q3: library part "NPN BEC"
R1 R2 R3 R4 R5 R6 R7 R8 R9 R10 R11 R13 R15 R16 R17 R18 R19 R20 R21 R22 R23 R24 R25 R26 R27 R28 R29 R30 R31 R32 R33 R34 R35 R37 R38 R39 R40 R82 R88 R121 R122 R123 R125 R126 R127 R128 R129 VR1: library part RES1
SW1 SW2 SW3 SW4 SW5 SW6 SW7 SW8 SW9 SW10 SW11 SW12 SW13 SW14 SW15 SW16 SW17 SW18 SW19 SW20 SW21 SW22 SW23 SW24 SW25 SW26 SW27 SW28 SW29 SW30 SW31 SW32 SW33 SW34 SW35 SW36 SW37 SW38 SW39 SW40 SW41 SW42 SW43 SW44 SW45 SW46 SW47 SW48 SW49 SW50 SW51 SW52 SW53 SW54 SW55 SW56 SW57 SW58 SW59 SW60 SW61 SW62 SW63 SW64 SW65 SW66 SW67 SW68 SW69 SW70 SW72 SW73 SW74 SW75: library part "SW2 PIN"
U1: library part "LQFP-64 10*10"
U2: library part 93C49_0
U3: library part REGULATOR1
U6: library part QFN20_3X3
Y1 Y2: library part crystal